# KiCad board UD3.1.kicad_pcb
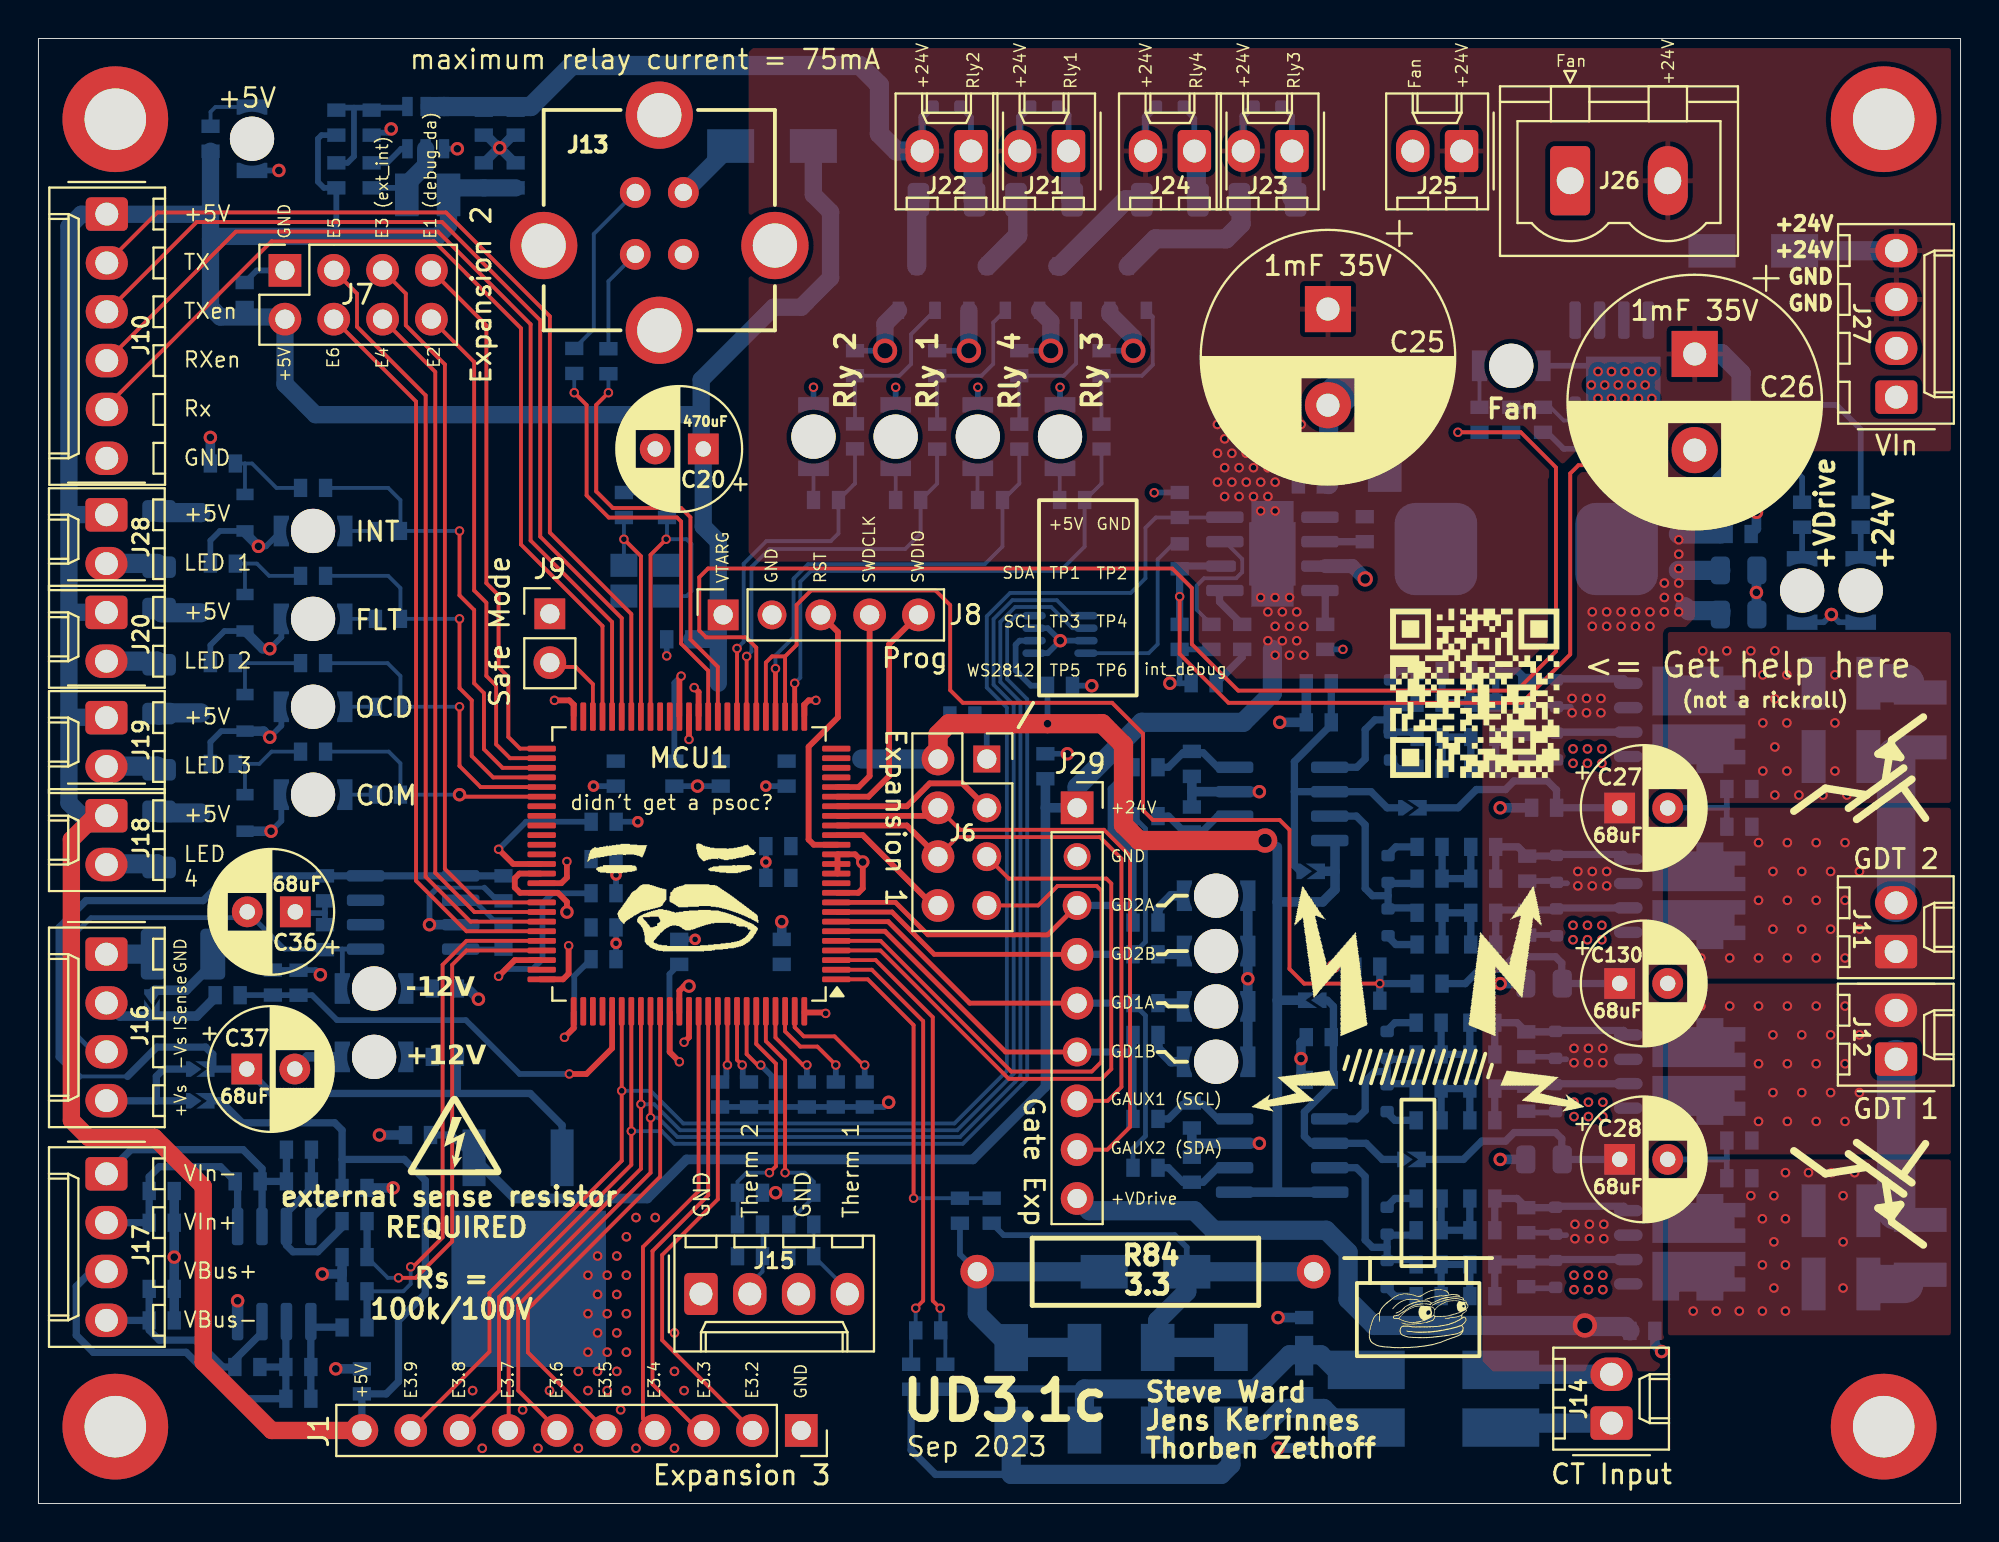
[diagram p0: board, top side]
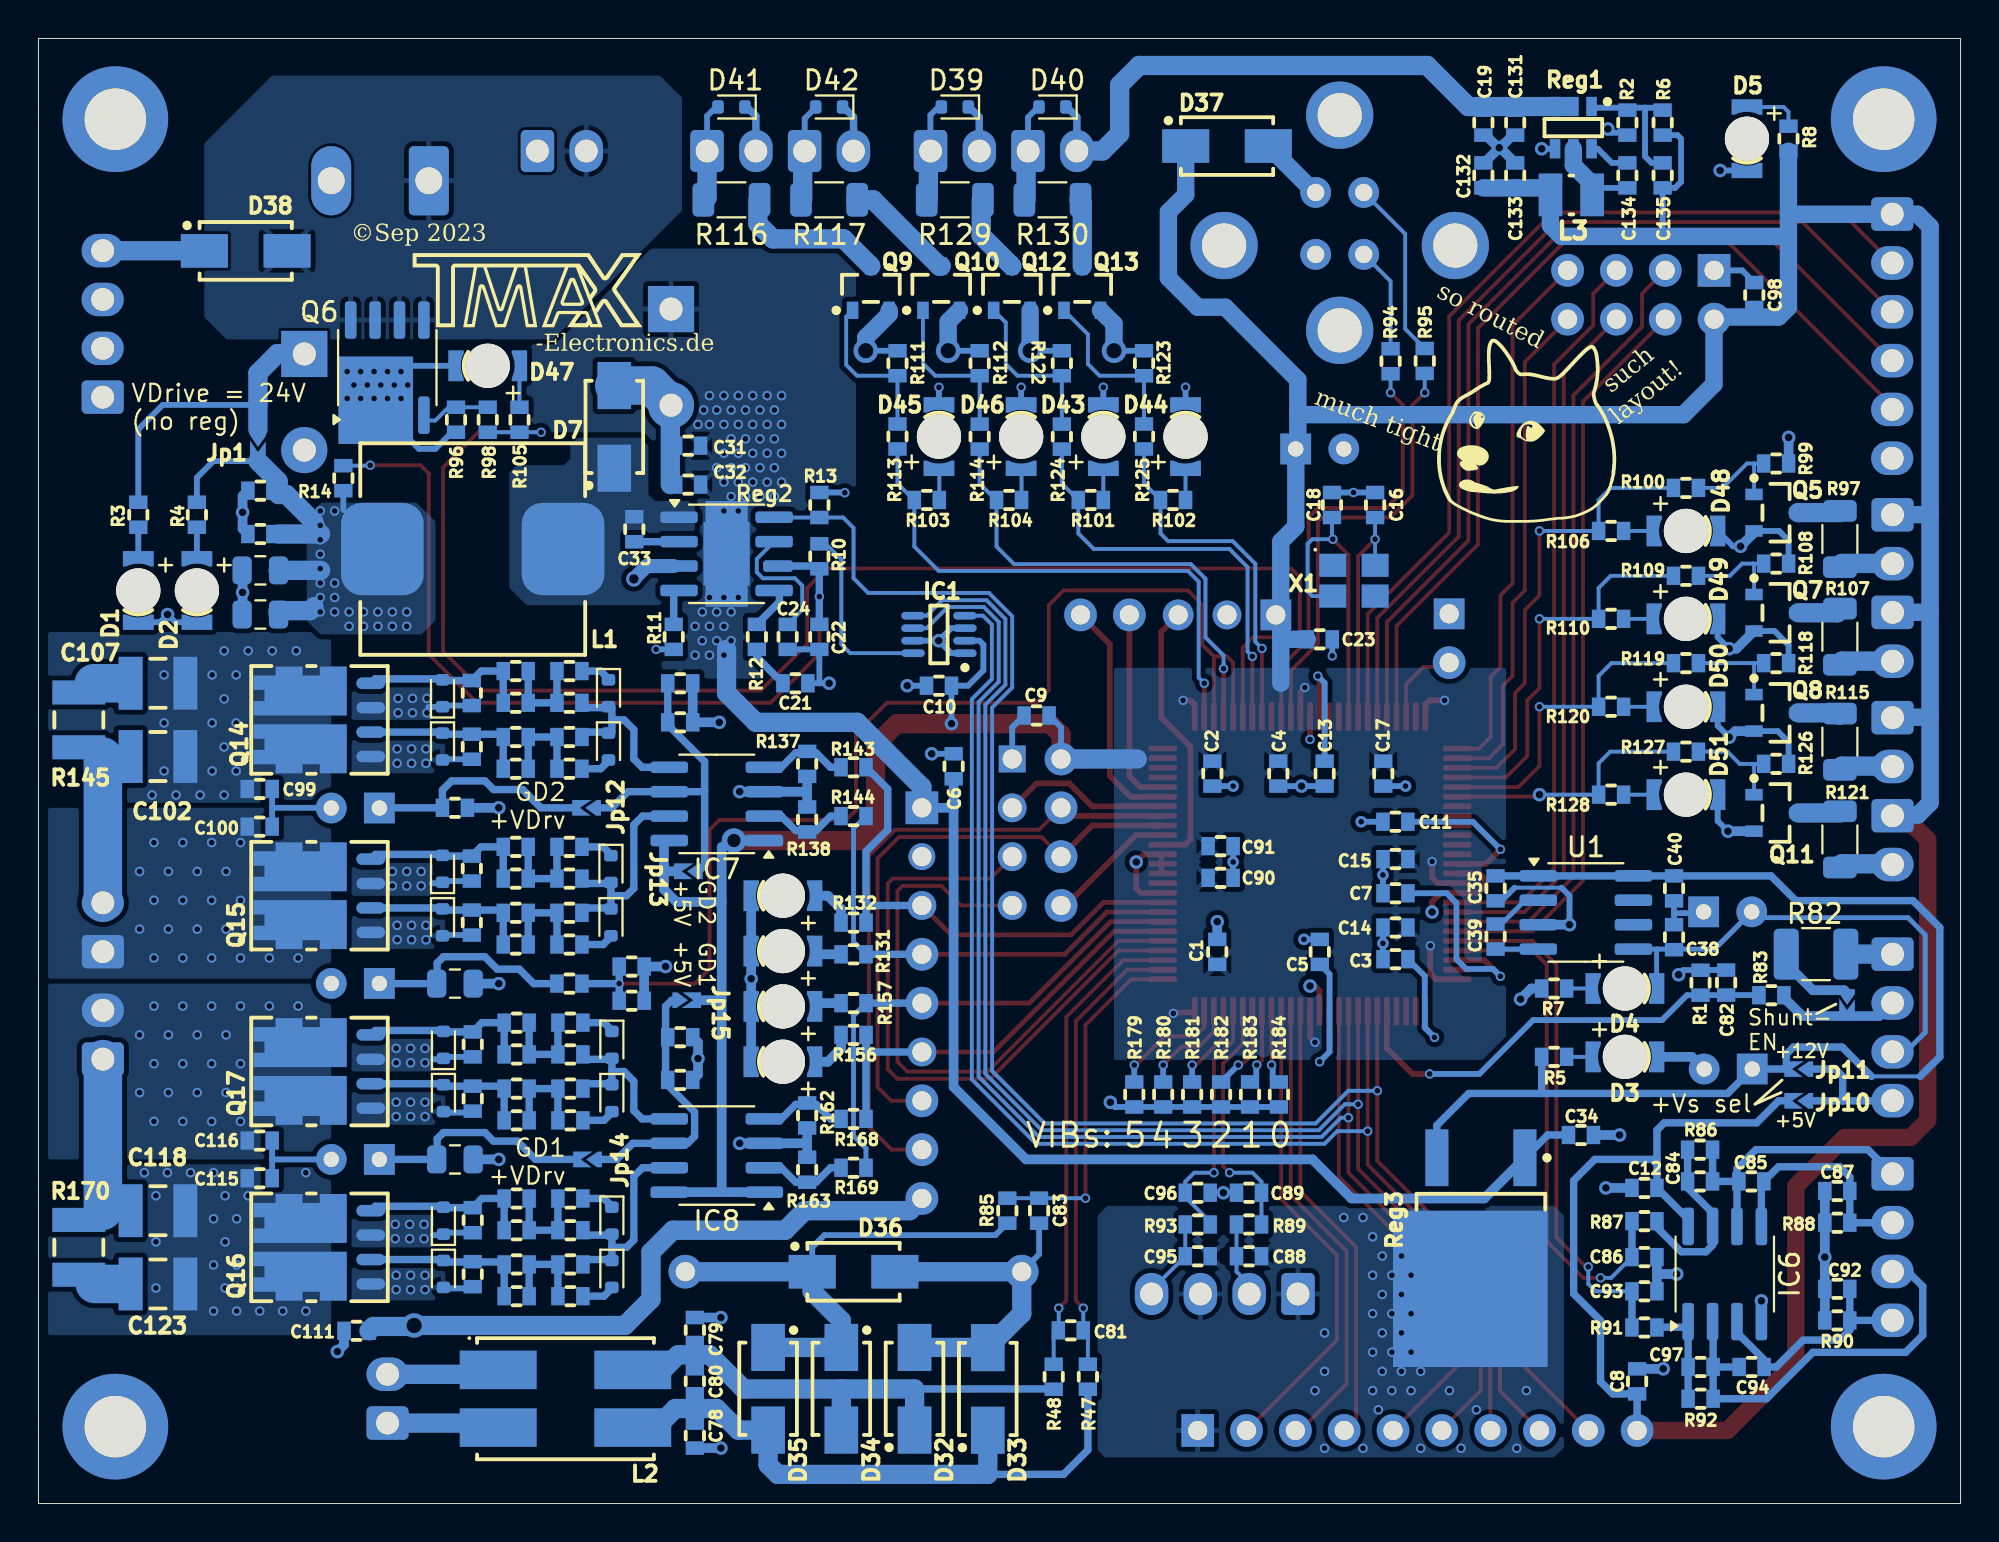
[diagram p1: board, bottom side, seen from below]

Outline 100 x 76.2 mm; copper layers: Top, In1.Cu (plane), In2.Cu (plane), Bottom. Coordinates in mm from the lower left corner of the outline.
Outline path: rectangle 0,76.2 100,0
Stack: Top 0.035mm / dielectric 0.1mm FR4 er 4.5 / In1.Cu 0.035mm / dielectric 1.24mm FR4 er 4.5 / In2.Cu 0.035mm / dielectric 0.1mm FR4 er 4.5 / Bottom 0.035mm

## Placement (name value [footprint] x y rotation side)
C1  100nF  [0603 SMD Component]  38.67 28.69 270 bottom
C2  100nF  [0603 SMD Component]  38.92 37.96 270 bottom
C3  100nF  [0603 SMD Component]  29.4 28.31 180 bottom
C4  100nF  [0603 SMD Component]  35.5 37.96 90 bottom
C5  100nF  [0603 SMD Component]  33.34 28.69 270 bottom
C6  100nF  [0603 SMD Component]  52.39 38.34 270 bottom
C7  100nF  [0603 SMD Component]  29.4 31.74 180 bottom
C8  100nF  [0603 SMD Component]  16.83 6.36 270 bottom
C9  100nF  [0603 SMD Component]  48.07 40.99 180 bottom
C10  100nF  [0603 SMD Component]  53.15 42.54 0 bottom
C11  1uF  [0603 SMD Component]  29.41 35.46 180 bottom
C12  100nF  [0603 SMD Component]  16.45 16.42 180 bottom
C13  100nF  [0603 SMD Component]  33.08 37.96 90 bottom
C14  100nF  [0603 SMD Component]  29.4 29.96 180 bottom
C15  100nF  [0603 SMD Component]  29.4 33.52 180 bottom
C16  18pF  [0603 SMD Component]  30.46 51.93 90 bottom
C17  100nF  [0603 SMD Component]  30.04 37.96 90 bottom
C18  18pF  [0603 SMD Component]  32.7 51.93 90 bottom
C19  100nF  [0603 SMD Component]  24.83 71.82 90 bottom
C20  470uF  [CP_Radial_D6.3mm_P2.50mm]  34.59 54.85 180 top
C21  1nF  [0603 SMD Component]  60.62 42.66 0 bottom
C22  100pF  [0603 SMD Component]  59.37 45.08 270 bottom
C23  100nF  [0603 SMD Component]  33.34 44.95 0 bottom
C24  22nF  [0603 SMD Component]  61.02 45.08 90 bottom
C25  1mF 35V  [CP_Radial_D13.0mm_P5.00mm]  67.09 62.12 270 top
C26  1mF 35V  [CP_Radial_D13.0mm_P5.00mm]  86.17 59.79 270 top
C27  68uF  [CP_Radial_D6.3mm_P2.50mm]  82.26 36.17 0 top
C28  68uF  [CP_Radial_D6.3mm_P2.50mm]  82.26 17.9 0 top
C31  100nF  [0603 SMD Component]  66.2 55.02 180 bottom
C32  100nF  [0603 SMD Component]  66.2 53 180 bottom
C33  100nF  [0603 SMD Component]  69 50.67 270 bottom
C34  100nF  [0603 SMD Component]  19.75 19.17 0 bottom
C35  100nF  [0603 SMD Component]  24.19 32 90 bottom
C36  68uF  [CP_Radial_D6.3mm_P2.50mm]  13.36 30.78 180 top
C37  68uF  [CP_Radial_D6.3mm_P2.50mm]  10.84 22.6 0 top
C38  100nF  [0603 SMD Component]  14.91 29.46 270 bottom
C39  4.7uF  [0603 SMD Component]  24.19 29.49 270 bottom
C40  100nF  [0603 SMD Component]  14.91 32 90 bottom
C78  150pF  [0603 SMD Component]  65.85 3.53 270 bottom
C79  150pF  [0603 SMD Component]  65.85 9.02 90 bottom
C80  1nF  [0603 SMD Component]  65.85 6.36 270 bottom
C81  150pF  [0603 SMD Component]  46.29 9.01 180 bottom
C82  10nF  [0603 SMD Component]  12.2 27.1 270 bottom
C83  150pF  [0603 SMD Component]  47.94 15.23 270 bottom
C84  100nF  [0603 SMD Component]  13.55 16.75 0 bottom
C85  10nF  [0603 SMD Component]  10.89 16.75 180 bottom
C86  NOP  [0603 SMD Component]  16.45 12.82 0 bottom
C87  100nF  [0603 SMD Component]  6.41 16.26 0 bottom
C88  100nF  [0603 SMD Component]  37.02 12.86 0 bottom
C89  100nF  [0603 SMD Component]  37.02 16.17 180 bottom
C90  100nF  [0603 SMD Component]  38.5 32.54 0 bottom
C91  10nF  [0603 SMD Component]  38.5 34.19 0 bottom
C92  100nF  [0603 SMD Component]  6.41 11.17 180 bottom
C93  NOP  [0603 SMD Component]  16.45 11.04 0 bottom
C94  10nF  [0603 SMD Component]  10.87 7.1 0 bottom
C95  100nF  [0603 SMD Component]  39.69 12.86 0 bottom
C96  100nF  [0603 SMD Component]  39.69 16.17 0 bottom
C97  100nF  [0603 SMD Component]  13.52 7.1 0 bottom
C98  100nF  [0603 SMD Component]  10.73 62.86 90 bottom
C99  1nF  [0603 SMD Component]  88.49 37.17 0 bottom
C100  1nF  [0603 SMD Component]  88.49 35.21 0 bottom
C101  100nF  [0603 SMD Component]  66.61 42.66 180 bottom
C102  2.2uF  [1210 SMD Component]  93.78 38.85 0 bottom
C103  6.8nF  [0603 SMD Component]  75.17 38.22 0 bottom
C104  6.8nF  [0603 SMD Component]  75.17 30.72 0 bottom
C105  100nF  [0603 SMD Component]  66.61 40.63 180 bottom
C107  1uF 50V  [1210 SMD Component]  93.78 42.66 0 bottom
C108  6.8nF  [0603 SMD Component]  75.17 43.3 0 bottom
C109  6.8nF  [0603 SMD Component]  75.17 32.5 0 bottom
C110  100nF  [0603 SMD Component]  69.14 26.15 0 bottom
C111  100nF  [0603 SMD Component]  83.45 8.98 180 bottom
C112  10uF  [C_0805_2012Metric]  88.45 46.24 180 bottom
C113  10uF  [C_0805_2012Metric]  88.45 48.53 180 bottom
C114  100nF  [0603 SMD Component]  88.45 52.68 180 bottom
C115  1nF  [0603 SMD Component]  88.49 16.92 0 bottom
C116  1nF  [0603 SMD Component]  88.49 18.88 0 bottom
C117  100nF  [0603 SMD Component]  66.61 24.26 180 bottom
C118  2.2uF  [1210 SMD Component]  93.78 15.23 0 bottom
C119  6.8nF  [0603 SMD Component]  75.12 10.79 0 bottom
C120  6.8nF  [0603 SMD Component]  75.12 21.58 0 bottom
C121  100nF  [0603 SMD Component]  66.61 22.03 180 bottom
C123  1uF 50V  [1210 SMD Component]  93.78 11.42 0 bottom
C124  6.8nF  [0603 SMD Component]  75.12 14.22 0 bottom
C125  6.8nF  [0603 SMD Component]  75.12 25.01 0 bottom
C126  100nF  [0603 SMD Component]  88.45 50.42 180 bottom
C127  10uF  [C_0805_2012Metric]  78.33 17.9 0 bottom
C128  10uF  [C_0805_2012Metric]  78.33 27.04 0 bottom
C129  100nF  [0603 SMD Component]  78.33 36.19 0 bottom
C130  68uF  [CP_Radial_D6.3mm_P2.50mm]  82.26 27.05 0 top
C131  100nF  [0603 SMD Component]  23.17 71.82 270 bottom
C132  100nF  [0603 SMD Component]  24.83 69.08 90 bottom
C133  100nF  [0603 SMD Component]  23.17 69.08 90 bottom
C134  100nF  [0603 SMD Component]  17.33 69.08 270 bottom
C135  100pF  [0603 SMD Component]  15.5 69.08 90 bottom
D1  green  [LED 1206 Reverse Mount]  94.8 47.49 270 bottom
D2  green  [LED 1206 Reverse Mount]  91.76 47.49 270 bottom
D3  green  [LED 1206 Reverse Mount]  17.46 23.23 180 bottom
D4  green  [LED 1206 Reverse Mount]  17.46 26.79 180 bottom
D5  green  [LED 1206 Reverse Mount]  11.11 70.98 270 bottom
D7  30V 5A  [DO-214AC]  70.04 56 90 bottom
D32  Schottky 30V 1A  [DO-214AC]  54.42 5.97 90 bottom
D33  Schottky 30V 1A  [DO-214AC]  50.61 5.96 90 bottom
D34  Schottky 30V 1A  [DO-214AC]  58.23 5.97 270 bottom
D35  Schottky 30V 1A  [DO-214AC]  62.04 5.97 270 bottom
D36  5.2V  [DO-214AC]  57.59 12.06 180 bottom
D37  Schottky 30V 1A  [DO-214AC]  38.16 70.6 180 bottom
D38  Schottky 30V 1A  [DO-214AC]  89.22 65.15 180 bottom
D39  Schottky 30V 100mA  [D_SOD-523]  52.32 72.64 0 bottom
D40  Schottky 30V 100mA  [D_SOD-523]  47.24 72.64 0 bottom
D41  Schottky 30V 100mA  [D_SOD-523]  63.94 72.64 0 bottom
D42  Schottky 30V 100mA  [D_SOD-523]  58.86 72.64 0 bottom
D43  blue  [LED 1206 Reverse Mount]  44.6 55.49 90 bottom
D44  blue  [LED 1206 Reverse Mount]  40.32 55.49 90 bottom
D45  blue  [LED 1206 Reverse Mount]  53.15 55.49 90 bottom
D46  blue  [LED 1206 Reverse Mount]  48.87 55.49 90 bottom
D47  blue  [LED 1206 Reverse Mount]  76.63 59.17 0 bottom
D48  blue  [LED 1206 Reverse Mount]  14.29 50.58 180 bottom
D49  blue  [LED 1206 Reverse Mount]  14.29 46.01 180 bottom
D50  blue  [LED 1206 Reverse Mount]  14.29 41.44 180 bottom
D51  blue  [LED 1206 Reverse Mount]  14.29 36.87 180 bottom
D52  blue  [LED 1206 Reverse Mount]  61.27 28.74 0 bottom
D53  blue  [LED 1206 Reverse Mount]  61.27 31.61 0 bottom
D54  6.8V  [D_SOD-523]  78.98 39.37 270 bottom
D55  6.8V  [D_SOD-523]  78.98 30.23 270 bottom
D56  Schottky 30V 100mA  [D_SOD-523]  70.34 39.37 270 bottom
D57  Schottky 30V 100mA  [D_SOD-523]  70.22 30.23 270 bottom
D58  Schottky 30V 100mA  [D_SOD-523]  70.34 42.14 270 bottom
D59  Schottky 30V 100mA  [D_SOD-523]  70.22 33 270 bottom
D60  6.8V  [D_SOD-523]  78.98 42.14 90 bottom
D61  6.8V  [D_SOD-523]  78.98 33.01 90 bottom
D62  blue  [LED 1206 Reverse Mount]  61.27 22.98 0 bottom
D63  blue  [LED 1206 Reverse Mount]  61.27 25.86 0 bottom
D64  6.8V  [D_SOD-523]  78.93 11.94 270 bottom
D65  6.8V  [D_SOD-523]  78.93 21.08 270 bottom
D66  Schottky 30V 100mA  [D_SOD-523]  70.17 11.94 270 bottom
D67  Schottky 30V 100mA  [D_SOD-523]  70.17 21.08 270 bottom
D68  Schottky 30V 100mA  [D_SOD-523]  70.17 14.71 270 bottom
D69  Schottky 30V 100mA  [D_SOD-523]  70.17 23.86 270 bottom
D70  6.8V  [D_SOD-523]  78.93 14.71 90 bottom
D71  6.8V  [D_SOD-523]  78.93 23.86 90 bottom
IC1  AD5160 5k/10k  [SOT-23-8]  53.15 45.2 0 bottom
IC6  MCP6477  [SOIC-8_3.9x4.9mm_P1.27mm]  12.27 11.94 90 bottom
IC7  UCC2742X  [SOIC-8_3.9x4.9mm_P1.27mm]  64.71 36.39 0 bottom
IC8  UCC2742X  [SOIC-8_3.9x4.9mm_P1.27mm]  64.71 18.1 0 bottom
J1  Expansion 3  [PinSocket_1x10_P2.54mm_Vertical]  39.69 3.8 270 top
J2  GND Pad  [MountingHole_3.2mm_M3_ISO14580_Pad]  96 4 0 top
J3  GND Pad  [MountingHole_3.2mm_M3_ISO14580_Pad]  4 4 0 top
J4  GND Pad  [MountingHole_3.2mm_M3_ISO14580_Pad]  96 72 0 top
J5  GND Pad  [MountingHole_3.2mm_M3_ISO14580_Pad]  4 72 0 top
J6  Expansion 1  [PinSocket_2x04_P2.54mm_Vertical#2]  49.34 38.72 0 top
J7  Expansion 2  [PinSocket_2x04_P2.54mm_Vertical]  12.82 64.14 90 top
J8  Prog  [PinSocket_1x05_P2.54mm_Vertical]  35.62 46.22 90 top
J9  Safe Mode  [PinHeader_1x02_P2.54mm_Vertical]  26.61 46.28 0 top
J10  6 pin header  [Molex_KK-254_AE-6410-06A_1x06_P2.54mm_Vertical]  3.56 67.06 270 top
J11  GDT 2  [Molex_KK-254_AE-6410-02A_1x02_P2.54mm_Vertical]  96.65 28.7 90 top
J12  GDT 1  [Molex_KK-254_AE-6410-02A_1x02_P2.54mm_Vertical]  96.65 23.11 90 top
J13  USB 2.0 Type B Jack  [USB 2.0 Type B Vertical]  32.3 64.97 0 top
J14  CT Input  [Molex_KK-254_AE-6410-02A_1x02_P2.54mm_Vertical]  81.84 4.19 90 top
J15  Therm  [Molex_KK-254_AE-6410-04A_1x04_P2.54mm_Vertical]  34.47 10.9 0 top
J16  LEM  [Molex_KK-254_AE-6410-04A_1x04_P2.54mm_Vertical]  3.54 28.58 270 top
J17  VSense  [Molex_KK-254_AE-6410-04A_1x04_P2.54mm_Vertical]  3.54 17.15 270 top
J18  COM  [Molex_KK-254_AE-6410-02A_1x02_P2.54mm_Vertical]  3.54 35.78 270 top
J19  OCD  [Molex_KK-254_AE-6410-02A_1x02_P2.54mm_Vertical]  3.54 40.88 270 top
J20  FLT  [Molex_KK-254_AE-6410-02A_1x02_P2.54mm_Vertical]  3.54 46.35 270 top
J21  Relay 1  [Molex_KK-254_AE-6410-02A_1x02_P2.54mm_Vertical]  53.59 70.34 180 top
J22  Relay 2  [Molex_KK-254_AE-6410-02A_1x02_P2.54mm_Vertical]  48.51 70.34 180 top
J23  Relay 3  [Molex_KK-254_AE-6410-02A_1x02_P2.54mm_Vertical]  65.21 70.34 180 top
J24  Relay 4  [Molex_KK-254_AE-6410-02A_1x02_P2.54mm_Vertical]  60.14 70.34 180 top
J25  Fan  [Molex_KK-254_AE-6410-02A_1x02_P2.54mm_Vertical]  74.04 70.34 180 top
J26  Fan  [PhoenixContact_MSTBVA_2,5_2-G-5,08_1x02_P5.08mm_Vertical]  79.69 68.8 0 top
J27  VIn  [Molex_KK-254_AE-6410-04A_1x04_P2.54mm_Vertical]  96.66 57.55 90 top
J28  INT  [Molex_KK-254_AE-6410-02A_1x02_P2.54mm_Vertical]  3.54 51.42 270 top
J29  Gate Exp  [PinSocket_1x09_P2.54mm_Vertical]  54.04 36.19 0 top
Jp1  VDrive Reg Disable  [PCB Jumper NO]  88.58 54.98 90 bottom
Jp10  LEM 5V  [PCB Jumper NO]  8.46 20.95 180 bottom
Jp11  LEM 12V  [PCB Jumper NO]  8.46 22.6 180 bottom
Jp12  GD2 VDrv  [PCB Jumper NO]  71.52 36.19 180 bottom
Jp13  GD2 5V  [PCB Jumper NO]  66.23 32.88 180 bottom
Jp14  GD1 VDrv  [PCB Jumper NO]  71.48 17.9 180 bottom
Jp15  GD1 5V  [PCB Jumper NO]  66.23 26.18 0 bottom
Jp16  IBus Shunt  [PCB Jumper NO]  5.91 25.96 90 bottom
L1  25uH  [Inductor 11x11mm]  77.41 49.64 0 bottom
L2  Common mode filter  [SON127P600 4 POS (8.50mm x 5.60mm)]  72.58 5.45 180 bottom
L3  10uH  [1008 SMD Component]  20.25 68.06 0 bottom
MCU1  CY8C5868AXI-LP032  [TQFP-100_14x14mm_P0.5mm]  33.85 33.27 180 top
Q5  MOSFET  [SOT-23]  9.6 51.53 180 bottom
Q6  Power NFet  [SOIC-8_3.9x4.9mm_P1.27mm#2]  81.85 59.08 90 bottom
Q7  MOSFET  [SOT-23]  9.6 46.33 180 bottom
Q8  MOSFET  [SOT-23]  9.6 41.12 180 bottom
Q9  MOSFET  [SOT-23]  56.69 63.21 90 bottom
Q10  MOSFET  [SOT-23]  53.03 63.21 90 bottom
Q11  MOSFET  [SOT-23]  9.6 35.92 180 bottom
Q12  MOSFET  [SOT-23]  49.36 63.21 90 bottom
Q13  MOSFET  [SOT-23]  45.7 63.21 90 bottom
Q14  Mosfet 1N1P  [SO-8FL - Dual]  85.43 40.76 90 bottom
Q15  Mosfet 1N1P  [SO-8FL - Dual]  85.43 31.61 90 bottom
Q16  Mosfet 1N1P  [SO-8FL - Dual]  85.43 13.33 90 bottom
Q17  Mosfet 1N1P  [SO-8FL - Dual]  85.43 22.47 90 bottom
R1  NOP  [0603 SMD Component]  13.53 27.09 90 bottom
R2  82k  [0603 SMD Component]  17.33 71.82 90 bottom
R3  56k  [0603 SMD Component]  94.8 51.43 270 bottom
R4  47k  [0603 SMD Component]  91.76 51.43 270 bottom
R5  27k  [0603 SMD Component]  21.15 23.23 180 bottom
R6  430k  [0603 SMD Component]  15.5 71.82 270 bottom
R7  27k  [0603 SMD Component]  21.15 26.79 180 bottom
R8  8.2k  [0603 SMD Component]  8.95 70.98 90 bottom
R10  3.3k/6.2k  [0603 SMD Component]  59.37 49.27 270 bottom
R11  47k  [0603 SMD Component]  66.95 45.08 90 bottom
R12  470k  [0603 SMD Component]  62.62 45.08 90 bottom
R13  10k  [0603 SMD Component]  59.37 51.93 270 bottom
R14  82k/160k  [0603 SMD Component]  84.14 53.33 270 bottom
R47  100  [0603 SMD Component]  45.4 6.59 270 bottom
R48  100  [0603 SMD Component]  47.18 6.59 270 bottom
R82  49.9  [R_1210_3225Metric_Pad1.30x2.65mm_HandSolder]  7.52 28.58 0 bottom
R83  470  [0603 SMD Component]  9.84 26.44 180 bottom
R84  3.3  [Resistor Axial 0411 THT 2W 17,5 Spacing]  57.59 12.06 270 top
R85  1k  [0603 SMD Component]  49.59 15.23 270 bottom
R86  4.99k  [0603 SMD Component]  13.55 18.41 0 bottom
R87  4.7k  [0603 SMD Component]  16.45 14.69 0 bottom
R88  4.99k  [0603 SMD Component]  6.41 14.6 0 bottom
R89  100  [0603 SMD Component]  37.02 14.51 0 bottom
R90  4.99k  [0603 SMD Component]  6.41 9.53 180 bottom
R91  4.7k  [0603 SMD Component]  16.45 9.16 0 bottom
R92  4.99k  [0603 SMD Component]  13.52 5.45 0 bottom
R93  100  [0603 SMD Component]  39.69 14.51 0 bottom
R94  22  [0603 SMD Component]  29.65 59.41 90 bottom
R95  22  [0603 SMD Component]  27.88 59.43 90 bottom
R96  10k  [0603 SMD Component]  78.28 56.37 90 bottom
R97  100 0.5W  [R_1206_3216Metric]  6.28 50.17 90 bottom
R98  1k  [0603 SMD Component]  76.63 56.37 90 bottom
R99  10k  [0603 SMD Component]  9.6 54.09 0 bottom
R100  1k  [0603 SMD Component]  14.29 52.82 180 bottom
R101  8.2k  [0603 SMD Component]  45.25 52.2 180 bottom
R102  8.2k  [0603 SMD Component]  40.97 52.2 180 bottom
R103  8.2k  [0603 SMD Component]  53.78 52.2 180 bottom
R104  8.2k  [0603 SMD Component]  49.5 52.2 180 bottom
R105  8.2k  [0603 SMD Component]  74.97 56.37 90 bottom
R106  8.2k  [0603 SMD Component]  18.18 50.58 180 bottom
R107  100 0.5W  [R_1206_3216Metric]  6.28 45.08 90 bottom
R108  10k  [0603 SMD Component]  9.6 48.89 0 bottom
R109  1k  [0603 SMD Component]  14.29 48.25 180 bottom
R110  8.2k  [0603 SMD Component]  18.18 46.01 180 bottom
R111  10k  [0603 SMD Component]  55.31 59.31 270 bottom
R112  10k  [0603 SMD Component]  51.03 59.31 270 bottom
R113  1k  [0603 SMD Component]  55.31 55.5 90 bottom
R114  1k  [0603 SMD Component]  51.03 55.49 90 bottom
R115  100 0.5W  [R_1206_3216Metric]  6.28 39.62 90 bottom
R116  22 0.5W  [R_1206_3216Metric]  63.94 67.81 0 bottom
R117  22 0.5W  [R_1206_3216Metric]  58.86 67.81 0 bottom
R118  10k  [0603 SMD Component]  9.6 43.71 0 bottom
R119  1k  [0603 SMD Component]  14.29 43.71 180 bottom
R120  8.2k  [0603 SMD Component]  18.18 41.44 180 bottom
R121  100 0.5W  [R_1206_3216Metric]  6.28 34.54 90 bottom
R122  10k  [0603 SMD Component]  46.76 59.31 270 bottom
R123  10k  [0603 SMD Component]  42.48 59.31 270 bottom
R124  1k  [0603 SMD Component]  46.76 55.49 90 bottom
R125  1k  [0603 SMD Component]  42.48 55.5 90 bottom
R126  10k  [0603 SMD Component]  9.6 38.47 0 bottom
R127  1k  [0603 SMD Component]  14.29 39.11 180 bottom
R128  8.2k  [0603 SMD Component]  18.18 36.87 180 bottom
R129  22 0.5W  [R_1206_3216Metric]  52.32 67.81 0 bottom
R130  22 0.5W  [R_1206_3216Metric]  47.24 67.81 0 bottom
R131  8.2k  [0603 SMD Component]  57.59 28.57 0 bottom
R132  8.2k  [0603 SMD Component]  57.59 30.22 0 bottom
R133  10k  [0603 SMD Component]  77.45 30.22 90 bottom
R134  10k  [0603 SMD Component]  77.45 39.36 90 bottom
R135  10k  [0603 SMD Component]  75.17 29.07 0 bottom
R136  10  [0603 SMD Component]  72.37 29.07 0 bottom
R137  10k  [0603 SMD Component]  60.01 38.47 90 bottom
R138  10k  [0603 SMD Component]  60.01 35.58 270 bottom
R139  10  [0603 SMD Component]  72.37 38.22 0 bottom
R140  10k  [0603 SMD Component]  75.17 39.87 0 bottom
R141  22  [0603 SMD Component]  72.37 39.87 0 bottom
R142  22  [0603 SMD Component]  72.37 30.72 0 bottom
R143  1k  [0603 SMD Component]  57.59 38.29 0 bottom
R144  1k  [0603 SMD Component]  57.59 35.75 0 bottom
R145  10 0.5W  [1210 SMD Component]  97.9 40.76 270 bottom
R146  22  [0603 SMD Component]  72.37 41.65 0 bottom
R147  22  [0603 SMD Component]  72.37 32.5 0 bottom
R148  10  [0603 SMD Component]  72.37 43.3 0 bottom
R149  10k  [0603 SMD Component]  75.17 41.65 0 bottom
R150  10k  [0603 SMD Component]  75.17 34.15 0 bottom
R151  10  [0603 SMD Component]  72.37 34.15 0 bottom
R152  10k  [0603 SMD Component]  77.45 33.03 270 bottom
R153  10k  [0603 SMD Component]  77.45 42.16 270 bottom
R154  2.2k  [0603 SMD Component]  69.14 27.93 180 bottom
R155  10k  [0603 SMD Component]  72.37 27.04 180 bottom
R156  8.2k  [0603 SMD Component]  57.59 24.38 0 bottom
R157  8.2k  [0603 SMD Component]  57.59 26.03 0 bottom
R158  10k  [0603 SMD Component]  77.41 21.06 90 bottom
R159  10k  [0603 SMD Component]  77.41 11.93 90 bottom
R160  10k  [0603 SMD Component]  75.12 19.93 0 bottom
R161  10  [0603 SMD Component]  72.33 19.93 0 bottom
R162  10k  [0603 SMD Component]  60.01 20.18 90 bottom
R163  10k  [0603 SMD Component]  60.01 17.36 270 bottom
R164  10  [0603 SMD Component]  72.33 10.79 0 bottom
R165  10k  [0603 SMD Component]  75.12 12.44 0 bottom
R166  22  [0603 SMD Component]  72.33 12.44 0 bottom
R167  22  [0603 SMD Component]  72.33 21.58 0 bottom
R168  1k  [0603 SMD Component]  57.59 20.01 0 bottom
R169  1k  [0603 SMD Component]  57.59 17.47 0 bottom
R170  10 0.5W  [1210 SMD Component]  97.9 13.33 90 bottom
R171  22  [0603 SMD Component]  72.33 14.22 0 bottom
R172  22  [0603 SMD Component]  72.33 23.36 0 bottom
R173  10  [0603 SMD Component]  72.33 15.87 0 bottom
R174  10k  [0603 SMD Component]  75.12 15.87 0 bottom
R175  10k  [0603 SMD Component]  75.12 23.36 0 bottom
R176  10  [0603 SMD Component]  72.33 25.01 0 bottom
R177  10k  [0603 SMD Component]  77.41 23.88 270 bottom
R178  10k  [0603 SMD Component]  77.41 14.74 270 bottom
R179  NOP  [0603 SMD Component]  42.99 21.28 270 bottom
R180  NOP  [0603 SMD Component]  41.48 21.28 270 bottom
R181  NOP  [0603 SMD Component]  39.98 21.28 270 bottom
R182  NOP  [0603 SMD Component]  38.47 21.28 270 bottom
R183  22  [0603 SMD Component]  36.97 21.28 270 bottom
R184  NOP  [0603 SMD Component]  35.46 21.28 270 bottom
Reg1  Buck regulator  [TSOT-26]  20.15 71.56 270 bottom
Reg2  AOZ1284  [SOIC-8-1EP_3.9x4.9mm_P1.27mm_EP2.41x3.3mm]  64.2 49.39 180 bottom
Reg3  LM7812  [TO-252 DPAk]  24.96 13.83 270 bottom
U1  TC7660S  [SOIC-8_3.9x4.9mm_P1.27mm]  19.49 30.74 180 bottom
X1  16MHz  [ECS-3225MV Oscillator]  31.56 48 180 bottom
